# Altium PCB TPMS V1.0.0 PCB.PcbDoc
Units mm, origin at the board's own origin, x right, y up, seen from the top; angles counter-clockwise.
Board outline 23.62 x 17.78 mm, 2 copper layers (Top Layer, Bottom Layer); 22 components, 17 nets, 76 pads, 7 vias.
Unrouted connection lines stored in the file: 43.
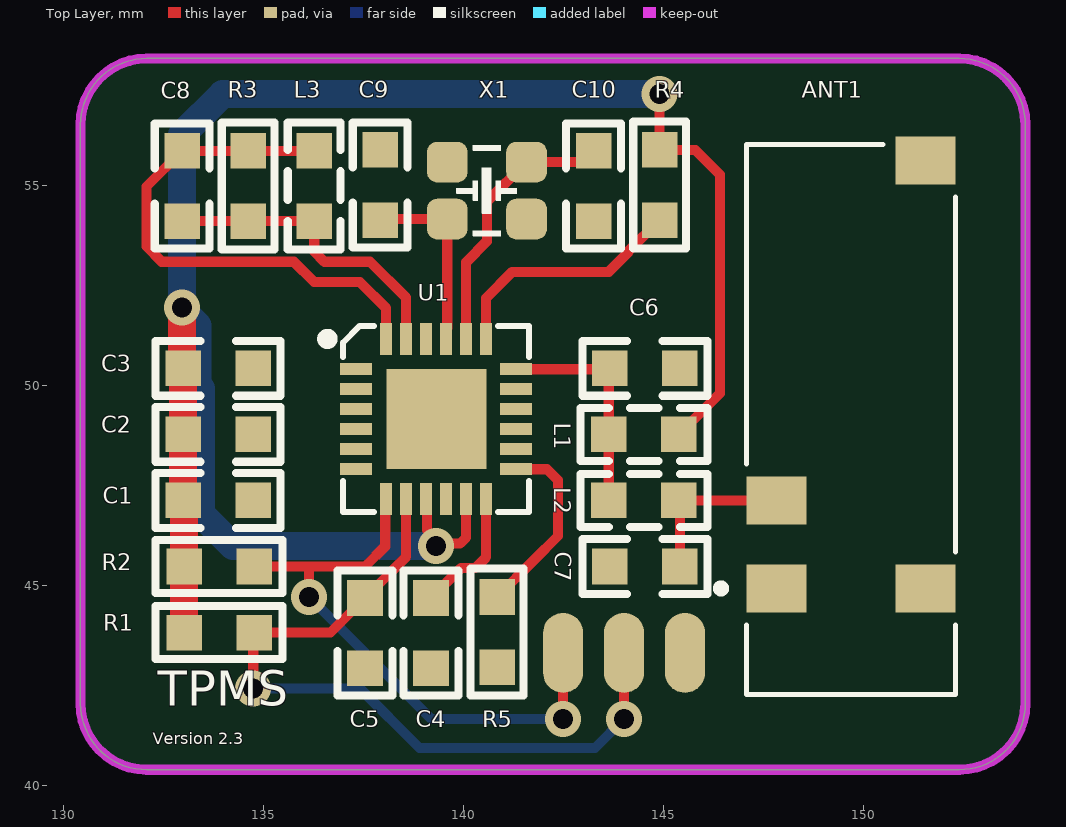
[diagram p0: Top Layer view]
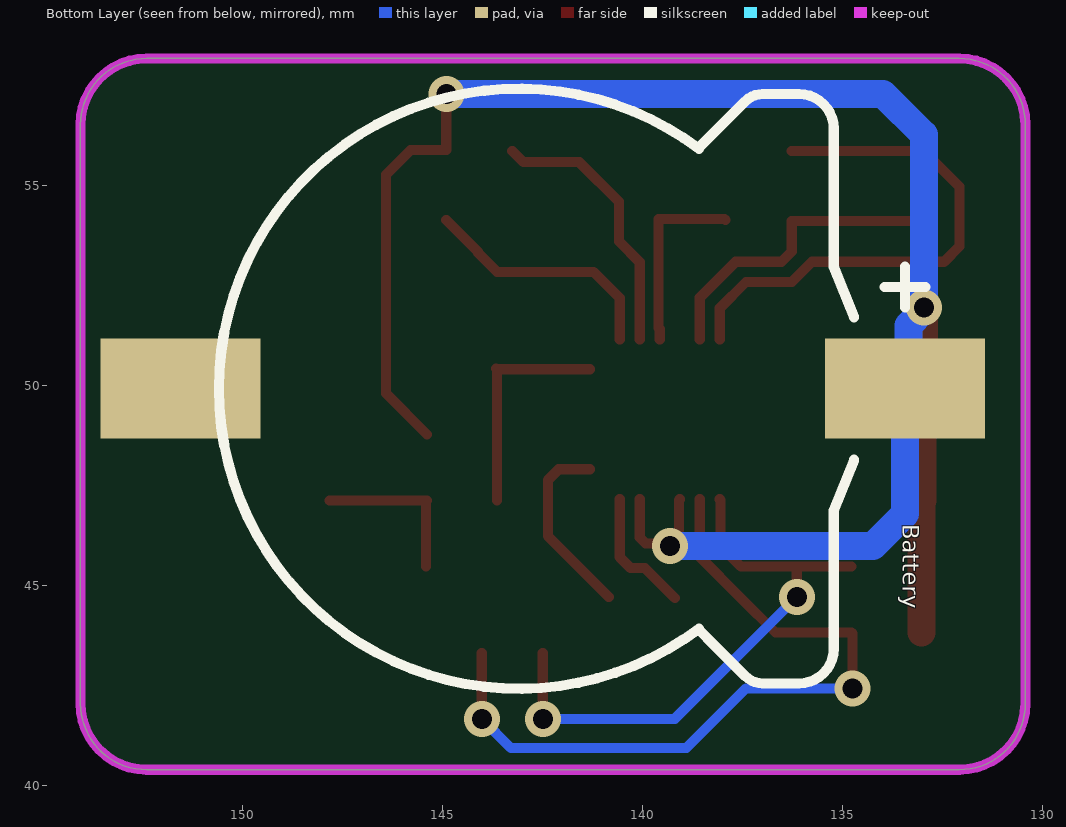
[diagram p1: Bottom Layer view, seen from below]
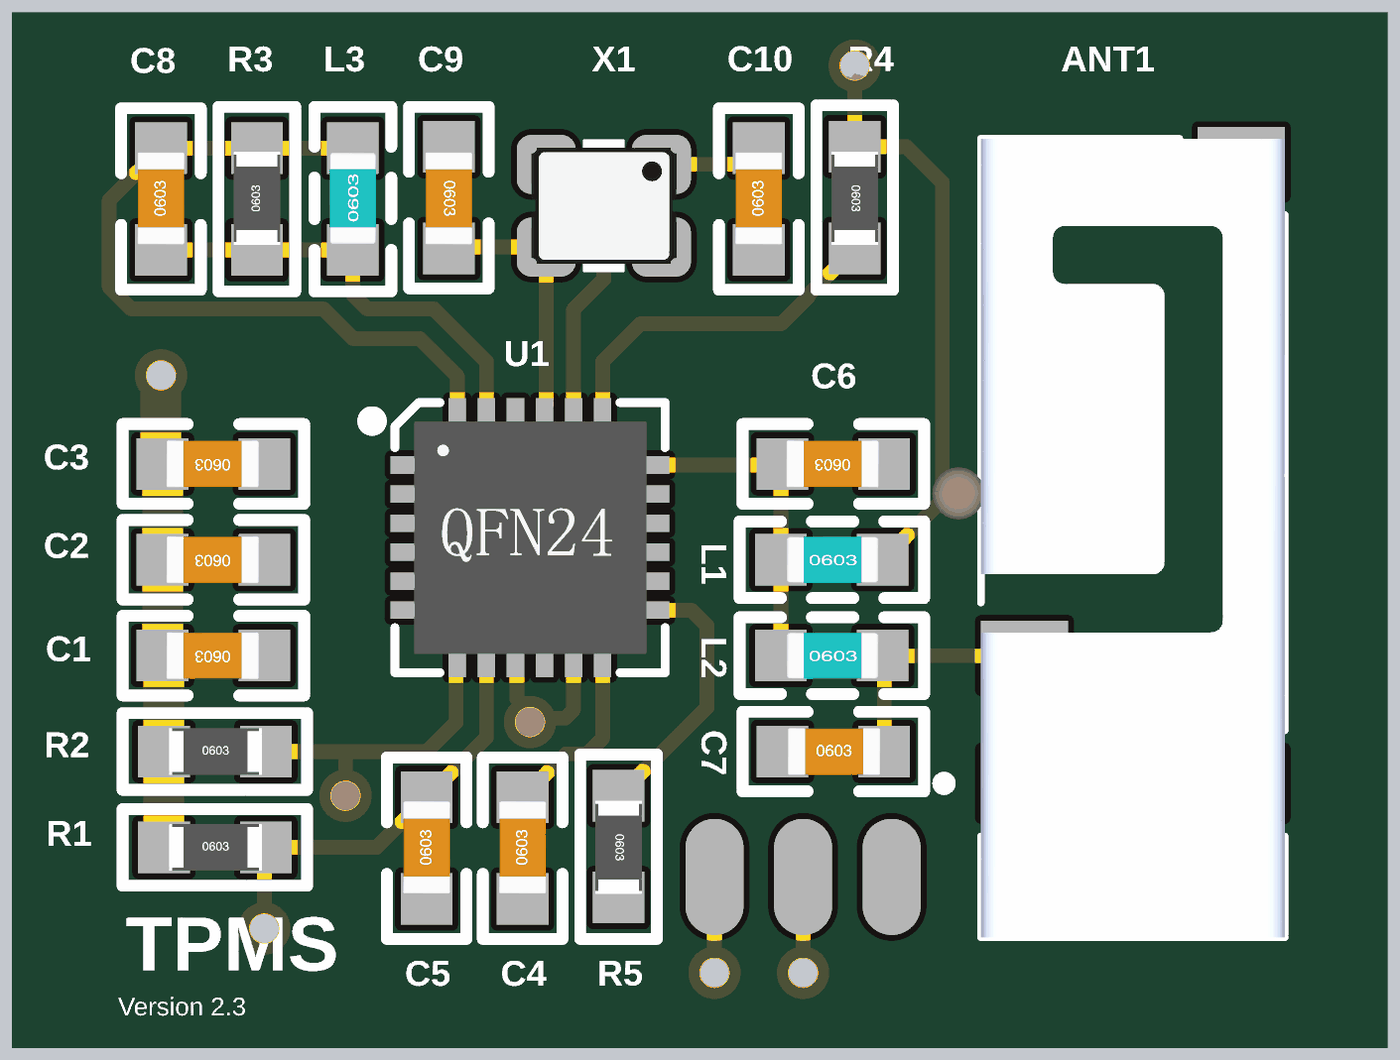
[diagram p2: 3D render of the assembled board from above, using the file's embedded part models]

## Layer stack, top to bottom
Top Solder: solder mask 0.0102, Solder Resist, Dk 3.5
Top Layer: signal copper 0.0356
Dielectric 1: dielectric 0.32, FR-4, Dk 4.8
Bottom Layer: signal copper 0.0356
Bottom Solder: solder mask 0.0102, Solder Resist, Dk 3.5

## Board outline
130.429,42.037 ccw(c132.08,42.037) 132.08,40.386 152.4,40.386 ccw(c152.4,42.037) 154.051,42.037 154.051,56.515 ccw(c152.4,56.515) 152.4,58.166 132.08,58.166 ccw(c132.08,56.515) 130.429,56.515

## Design rules (kind name [scope] priority, off if disabled: settings)
Clearance [All] p1: gap=0.15 ignorepadtopadclearanceinfootprint=FALSE
PolygonConnect [All] p1: connectstyle=Relief reliefconductorwidth=0.254 reliefentries=4 polygonreliefangle="90 Angle" airgapwidth=0.254
RoutingVias [All] p1: holewidth=0.3 width=0.6 viastyle="Through Hole" minholewidth=0.3 minwidth=0.6 maxholewidth=0.5 maxwidth=0.9
SolderMaskExpansion [All] p1: expansion=0.102 istentingtop=FALSE
SupplyNets "Schematic Supply Nets_1" [InNet('GND')] p1: voltage=0.000
SupplyNets "Schematic Supply Nets" [InNet('VDD')] p2: voltage=0.000
Width [All] p1: maxlimit=1 minlimit=0.254 preferedwidth=0.5
30 further rules are at their usual default settings.

## Components (designator, comment, footprint, x,y, rotation, side; value= is the part's Value field where it differs from the comment)
ANT1 "PRO-OB-440" PRO-OB-440 149.541,49.32 r180 top
Battery "Battery Button Cell" CR1220_B 143.092,49.911 r180 bottom (schematic designator Battery1)
C1 "10uF" "C 0603" 133.859,47.117 r180 top
C2 "10nF" "C 0603" 133.859,48.768 r180 top
C3 "100nF" "C 0603" 133.859,50.419 r180 top
C4 "0.47uF" "C 0603" 139.192,43.815 r90 top
C5 "?" "C 0603" 137.541,43.815 r90 top
C6 "?" "C 0603" 144.526,50.419 r180 top
C7 "?" "C 0603" 144.551,45.466 r0 top
C8 "?" "C 0603" 132.969,54.991 r90 top
C9 "CRYSTAL REC" "C 0603" 137.922,54.991 r270 top
C10 "CRYSTAL REC" "C 0603" 143.256,54.991 r90 top
L1 "?uH" "L 0603" 144.526,48.768 r0 top
L2 "?uH" "L 0603" 144.526,47.117 r0 top
L3 "?uH" "L 0603" 136.271,54.991 r90 top
R1 "?" "R 0603" 133.909,43.815 r0 top
R2 "?" "R 0603" 133.909,45.466 r0 top
R3 "?" "R 0603" 134.62,54.991 r90 top
R4 "?" "R 0603" 144.907,54.991 r270 top
R5 "1K" "R 0603" 140.843,43.815 r270 top
U1 "NTM88" QFN24 139.319,49.149 r0 top
X1 "26M" XTAL-2520-4 140.589,54.864 r180 top

## Footprints (in the part's own frame and the unit in brackets; to place one, negate y for a bottom-side part, rotate by r counter-clockwise, add the part's x,y. Pads: shape width x height; smd on the part's side, far side on the other; paste and mask are expansions set on the pad)
"C 0603" [mil] "ï¿½Þ¼ï¿½ï¿½ï¿½ï¿½ï¿½Æ¬ï¿½ï¿½ï¿½ï¿½"
  rect 35x35 smd: 1(-35,0) 2(34,0)
  silkscreen extent -62,-27 61,27, body extent -31,-16 31,16, height 32
CR1220_B [mm]
  round 0 all layers, no hole: 0(-3.6,0) 0(3.9,0)
  rect 4x2.5 smd: 1(9.652,0) 2(-8.458,0)
  silkscreen extent -7.5,-7.5 10.16,7.5, body extent -9.42,-7.45 10.34,7.45, height 4.05
"L 0603" [mil] "Ð¡¹¦ÂÊÌùÆ¬µç¸Ð"
  rect 35x35 smd: 1(-35,0) 2(34,0)
  silkscreen extent -63,-26 62,26, body extent -31,-16 31,16, height 31
PRO-OB-440 [mm]
  rect 1.5x1.2 smd: 1(1.713,4.403) 2(1.713,2.203) 3(-2.017,4.403) 4(-2.017,-6.297)
  Multi-Layer pour cut-out: -3.317,5.528 -3.317,3.278 -0.717,3.278 -0.717,5.528
  Multi-Layer pour cut-out: 0.663,3.103 0.663,1.303 2.763,1.303 2.763,3.103
  Multi-Layer pour cut-out: -3.417,-5.072 -3.417,-7.522 -0.617,-7.522 -0.617,-5.072
  silkscreen extent -2.77,-6.7 3.2,7.05, body extent -2.77,-6.7 2.46,7.05, height 3.53
QFN24 [mm]
  rect 2.5x2.5 smd: 0(0.005,0)
  rect 0.8x0.3 smd: 1(-2,1.25) 2(-2,0.75) 3(-2,0.25) 4(-2,-0.25) 5(-2,-0.75) 6(-2,-1.25) 13(2,-1.25) 14(2,-0.75) 15(2,-0.25) 16(2,0.25) 17(2,0.75) 18(2,1.25)
  rect 0.3x0.8 smd: 7(-1.25,-2) 8(-0.75,-2) 9(-0.25,-2) 10(0.25,-2) 11(0.75,-2) 12(1.25,-2) 19(1.25,2) 20(0.75,2) 21(0.25,2) 22(-0.25,2) 23(-0.75,2) 24(-1.25,2)
  silkscreen extent -2.84,-2.32 2.32,2.32, body extent -2,-2 2.01,2, height 0.9
"R 0603" [mil] "1/10Wï¿½ï¿½Æ¬ï¿½ï¿½ï¿½ï¿½"
  rect 35x35 smd: 1(-35,0) 2(34,0)
  silkscreen extent -63,-26 62,26, body extent -31,-16 32,16, height 16
XTAL-2520-4 [mil]
  rrect50% 40x40 smd: 1(39,28) 2(-39,28) 3(-39,-28) 4(39,-28)
  silkscreen extent -30,-44 30,44, body extent -49,-39 49,39, height 31

## Part data
Battery: "Mini Battery"
C1 C2 C3 C4 C5 C6 C7 C8 C9 C10: library part C, "Non-polar patch capacitor", BOM名称=无极性贴片电容, 学习资源=www.ooocke.com, 版权归属=源创客
L1 L2 L3: library part L, "Low power chip inductor", BOM名称=小功率贴片电感, 学习资源=www.ooocke.com, 版权归属=源创客
R1 R2 R3 R4 R5: library part R, "Chip resistor", BOM名称="Chip resistor", 学习资源=www.ooocke.com, 版权归属=源创客
U1: "TPMS Sensor"
X1: library part XTAL-4, "4-Pin crystal", BOM名称=4脚晶振, 学习资源=www.ooocke.com, 版权归属=源创客

## Free pads (board coordinates)
  oval 1x2 smd: 2(142.494,43.307) 3(144.018,43.307) 4(145.542,43.307)

## Via types
v1: diameter 0.9, hole 0.5, Top Layer to Bottom Layer, tented both sides, 7 vias

## Nets (pads, with @x,y where several pads share a name; then routed paths per layer and width w, separated by ;. In a path a pad name is that pad's centre, name@x,y a point inside that pad or via, vN(x,y) a via of type N, cw(c..) or ccw(c..) an arc to the next point about the centre after c; other vN are vias at no path point)
BDM: pad.2 R2.2 U1.7 | length 14.7
  Top Layer w0.254: R2.2 136.157,45.466 ; v1(136.144,44.704) 136.144,45.453 136.157,45.466 ; U1.7 138.049,47.129 138.049,45.974 137.541,45.466 136.157,45.466 ; v1(142.494,41.656) pad.2
  Bottom Layer w0.254: v1(136.144,44.704) 139.192,41.656 v1(142.494,41.656)
GND: ANT1.1 Battery.2 C1.1 C2.1 C3.1 C4.1 C5.1 C6.1 C7.1 C9.1 C10.1 pad.4 R5.2 U1.0 U1.10 U1.17
NetANT1_2: ANT1.2 C7.2 L2.2 | length 4.1
  Top Layer w0.254: C7.2 145.415,47.091 L2.2 ANT1.2
NetC4_2: C4.2 U1.12 | length 3.2
  Top Layer w0.254: C4.2 139.939,45.426 140.295,45.426 140.569,45.7 U1.12
NetC6_2: C6.2 L1.1 L2.1 U1.18 | length 5.7
  Top Layer w0.254: U1.18 143.642,50.399 C6.2 143.637,50.394 L1.1 L2.1
NetC8_1: C8.1 L3.1 R3.1 U1.23 | length 7.9
  Top Layer w0.254: C8.1 R3.1 L3.1 136.271,53.34 136.525,53.086 137.668,53.086 138.569,52.185 U1.23
NetC8_2: C8.2 L3.2 R3.2 U1.24 | length 13.5
  Top Layer w0.254: L3.2 R3.2 C8.2 132.08,54.966 132.08,53.467 132.461,53.086 135.763,53.086 136.271,52.578 137.414,52.578 138.069,51.923 U1.24
NetC9_2: C9.2 U1.21 X1.1 | length 4.7
  Top Layer w0.254: C9.2 137.947,54.153 X1.1 139.598,51.428 139.569,51.399 U1.21
NetC10_2: C10.2 U1.20 X1.3 | length 6.8
  Top Layer w0.254: U1.20 140.069,53.074 140.589,53.594 140.589,54.585 X1.3 142.977,55.575 C10.2
PTA0: R4.2 U1.19 | length 6.2
  Top Layer w0.254: U1.19 140.569,52.177 141.224,52.832 143.637,52.832 144.113,53.308 144.113,53.334 R4.2
PTA1: U1.16
PTA2: U1.15
PTA3: U1.14
PTB0: R5.1 U1.13 | length 4.7
  Top Layer w0.254: R5.1 141.764,45.625 142.367,46.228 142.367,47.625 142.093,47.899 U1.13
PTB1: U1.22
RST: C5.2 pad.3 R1.2 U1.8 | length 19.3
  Top Layer w0.254: v1(134.747,42.418) 134.747,43.79 R1.2 136.677,43.815 C5.2 138.569,45.707 U1.8 ; v1(144.018,41.656) pad.3
  Bottom Layer w0.254: v1(134.747,42.418) 137.414,42.418 138.903,40.929 143.291,40.929 v1(144.018,41.656)
VDD: Battery.1 C1.2 C2.2 C3.2 L1.2 R1.1 R2.1 R4.1 U1.9 U1.11 | length 49.6
  Top Layer w0.254: U1.9 139.092,47.126 139.092,46.376 139.319,46.149 v1(139.319,45.974) 139.385,46.04 139.92,46.04 140.069,46.189 U1.11 ; v1(144.907,57.277) R4.1 145.796,55.88 146.415,55.261 146.415,49.793 L1.2
  Top Layer w0.7: v1(132.969,51.943) 132.969,50.445 C3.2 C2.2 C1.2 133.02,47.092 R2.1 R1.1
  Bottom Layer w0.7: v1(139.319,45.974) 134.239,45.974 133.44,46.773 Battery.1 133.35,50.001 133.35,51.496 132.969,51.877 v1(132.969,51.943) 132.969,56.261 133.985,57.277 v1(144.907,57.277)
pads on no net: ANT1.3 ANT1.4 Battery.0 U1.1 U1.2 U1.3 U1.4 U1.5 U1.6 X1.2 X1.4

## Keep-outs
Keep-Out Layer:
  lines w0.254: 130.429,42.037 ccw(c132.08,42.037) 132.08,40.386 132.334,40.386 152.4,40.386 ccw(c152.4,42.037) 154.051,42.037 154.051,45.974 154.051,56.515 ccw(c152.4,56.515) 152.4,58.166 132.08,58.166 ccw(c132.08,56.515) 130.429,56.515 130.429,42.037

## Silkscreen, mask and mechanical layers (free items; w line width, h text height)
Top Overlay:
  text "TPMS" at 132.357,41.697 h1.5
  text "Version 2.3" at 132.23,40.923 h0.5